# Allegro board Controller.brd
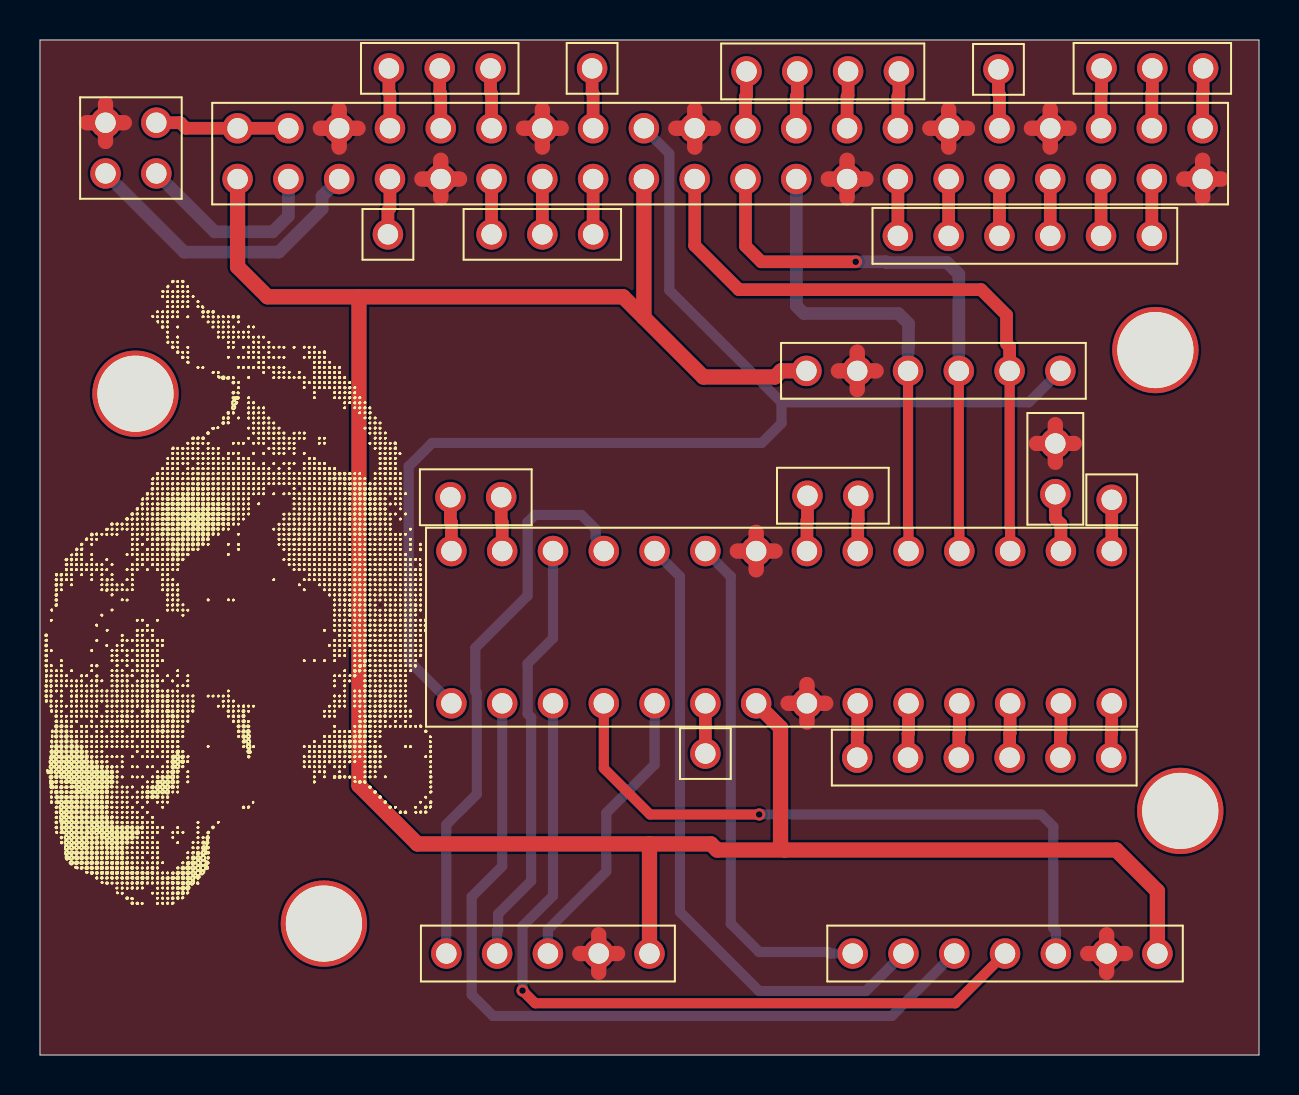
[diagram p0: board, top side]
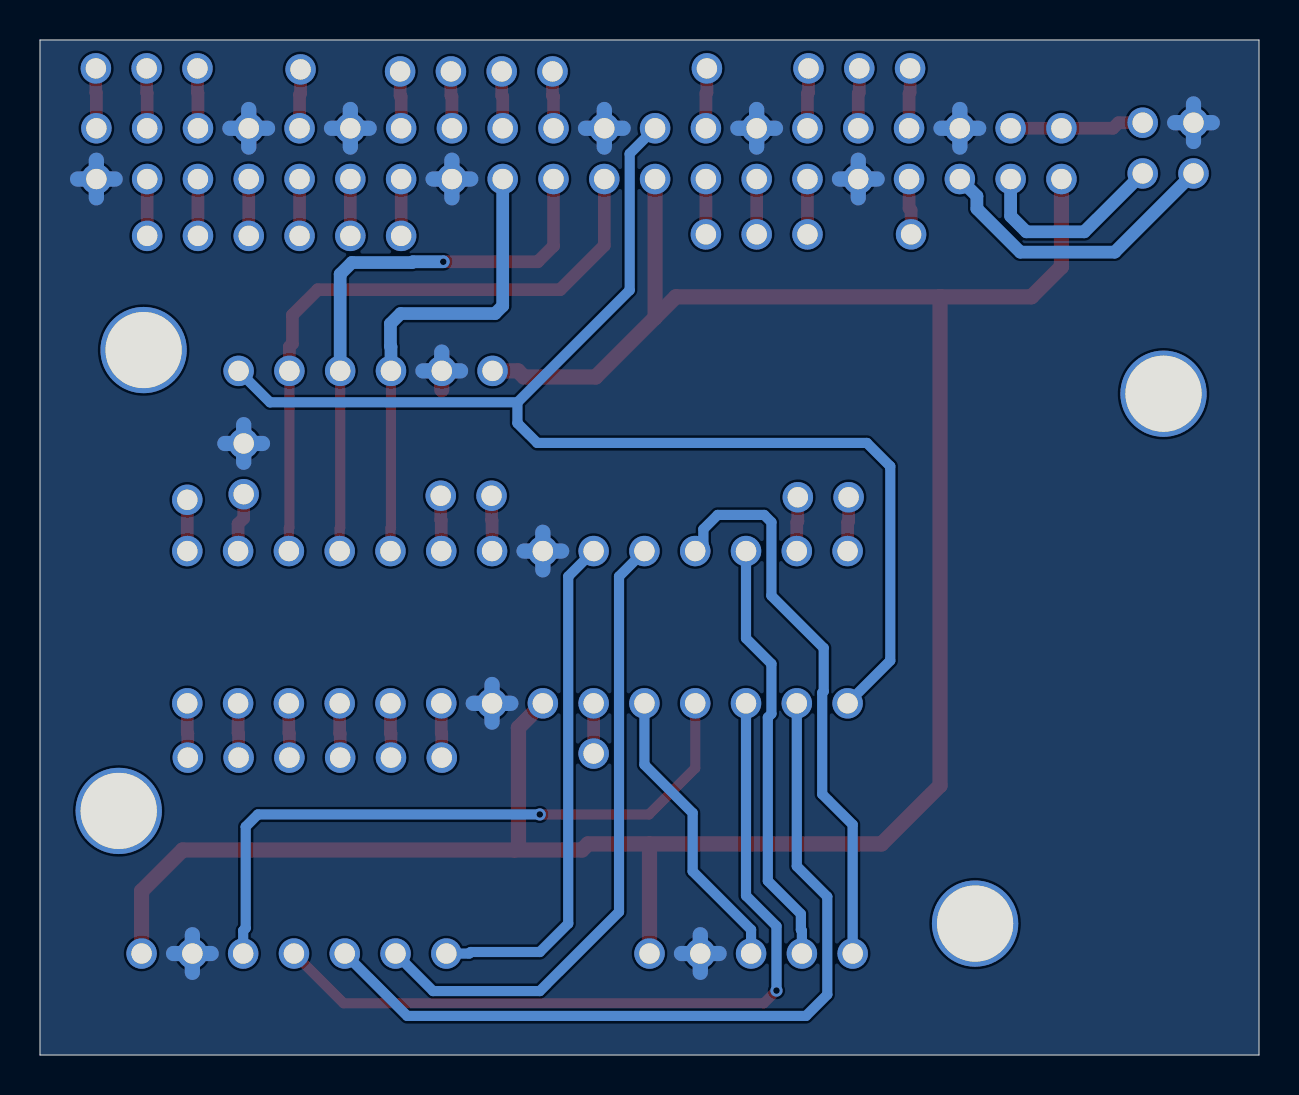
[diagram p1: board, bottom side, seen from below]

Outline 60.96 x 50.8 mm; copper layers: TOP, BOTTOM. Coordinates in mm from the lower left corner of the outline.
Outline path: 0,50.8 60.96,50.8 60.96,0 0,0 0,50.8

## Design rules (mm)
constraint set DEFAULT: min track width 0.254

## Placement (name value [footprint] x y rotation side)
CONNECTOR1  2x2Pin  [DIP2X2]  4.55 45.39 90 top
CONNECTOR2  5Pin  [SIP5]  25.4 5.08 270 top
CONNECTOR3  7Pin  [SIP7]  48.26 5.08 270 top
CONNECTOR4  6Pin  [SIP6]  44.68 34.24 90 top
CONNECTOR5  2Pin  [SIP2]  50.77 28.07 180 top
CONNECTOR6  6Pin  [SIP6]  47.22 14.88 270 top
CONNECTOR7  1Pin  [SIP1]  33.27 15.09 0 top
CONNECTOR8  1Pin  [SIP1]  53.59 27.79 0 top
CONNECTOR9  2Pin  [SIP2]  40.92 27.99 270 top
CONNECTOR10  2Pin  [SIP2]  23.06 27.91 270 top
CONNECTOR11  3Pin  [SIP3]  22.53 49.38 270 top
CONNECTOR12  1Pin  [SIP1]  27.61 49.38 0 top
CONNECTOR13  1Pin  [SIP1]  47.93 49.33 0 top
CONNECTOR14  1Pin  [SIP1]  17.4 41.07 0 top
CONNECTOR15  3Pin  [SIP3]  58.17 49.38 270 top
CONNECTOR16  3Pin  [SIP3]  22.58 41.07 90 top
CONNECTOR17  4Pin  [SIP4]  39.14 49.23 90 top
CONNECTOR18  6Pin  [SIP6]  49.25 41 270 top
MC1  AtMega328p  [ATMEGA328P]  37.08 21.41 90 top
MC2  Rpi4  [RPI4]  34.01 45.11 90 top
NOREF  -  [unnamed]  14.2 6.58 0 top
NOREF#2  -  [#2]  8.97 20.35 270 top
NOREF#3  -  [unnamed]  55.78 35.28 0 top
NOREF#4  -  [unnamed]  4.78 33.1 0 top
NOREF#5  -  [unnamed]  57.02 12.22 0 top

## Library data of the parts
CONNECTOR1 = 2x2Pin
CONNECTOR2 = 5Pin
CONNECTOR3 = 7Pin
CONNECTOR4 CONNECTOR6 CONNECTOR18 = 6Pin
CONNECTOR5 CONNECTOR9 CONNECTOR10 = 2Pin
CONNECTOR7 CONNECTOR8 CONNECTOR12-CONNECTOR14 = 1Pin
CONNECTOR11 CONNECTOR15 CONNECTOR16 = 3Pin
CONNECTOR17 = 4Pin
MC1 = AtMega328p
MC2 = Rpi4

## Footprints (pads in the part's own frame, mm; a bottom-side part is the same pattern mirrored in y, then rotated)
ATMEGA328P
  round 1.524 hole 1.02: 1(-3.81,16.51) 2(-3.81,13.97) 3(-3.81,11.43) 4(-3.81,8.89) 5(-3.81,6.35) 6(-3.81,3.81) 7(-3.81,1.27) 8(-3.81,-1.27) 9(-3.81,-3.81) 10(-3.81,-6.35) 11(-3.81,-8.89) 12(-3.81,-11.43) 13(-3.81,-13.97) 14(-3.81,-16.51) 15(3.81,-16.51) 16(3.81,-13.97) 17(3.81,-11.43) 18(3.81,-8.89) 19(3.81,-6.35) 20(3.81,-3.81) 21(3.81,-1.27) 22(3.81,1.27) 23(3.81,3.81) 24(3.81,6.35) 25(3.81,8.89) 26(3.81,11.43) 27(3.81,13.97) 28(3.81,16.51)
DIP2X2
  round 1.524 hole 1.02: 1(-1.27,1.27) 2(-1.27,-1.27) 3(1.27,-1.27) 4(1.27,1.27)
RPI4
  round 1.524 hole 1.02: 1(-1.27,24.13) 2(1.27,24.13) 3(-1.27,21.59) 4(1.27,21.59) 5(-1.27,19.05) 6(1.27,19.05) 7(-1.27,16.51) 8(1.27,16.51) 9(-1.27,13.97) 10(1.27,13.97) 11(-1.27,11.43) 12(1.27,11.43) 13(-1.27,8.89) 14(1.27,8.89) 15(-1.27,6.35) 16(1.27,6.35) 17(-1.27,3.81) 18(1.27,3.81) 19(-1.27,1.27) 20(1.27,1.27) 21(-1.27,-1.27) 22(1.27,-1.27) 23(-1.27,-3.81) 24(1.27,-3.81) 25(-1.27,-6.35) 26(1.27,-6.35) 27(-1.27,-8.89) 28(1.27,-8.89) 29(-1.27,-11.43) 30(1.27,-11.43) 31(-1.27,-13.97) 32(1.27,-13.97) 33(-1.27,-16.51) 34(1.27,-16.51) 35(-1.27,-19.05) 36(1.27,-19.05) 37(-1.27,-21.59) 38(1.27,-21.59) 39(-1.27,-24.13) 40(1.27,-24.13)
SIP1
  round 1.524 hole 1.02: 1(0,0)
SIP2
  round 1.524 hole 1.02: 1(0,0) 2(0,-2.54)
SIP3
  round 1.524 hole 1.02: 1(0,0) 2(0,-2.54) 3(0,-5.08)
SIP4
  round 1.524 hole 1.02: 1(0,3.81) 2(0,1.27) 3(0,-1.27) 4(0,-3.81)
SIP5
  round 1.524 hole 1.02: 1(0,5.08) 2(0,2.54) 3(0,0) 4(0,-2.54) 5(0,-5.08)
SIP6
  round 1.524 hole 1.02: 1(0,6.35) 2(0,3.81) 3(0,1.27) 4(0,-1.27) 5(0,-3.81) 6(0,-6.35)
SIP7
  round 1.524 hole 1.02: 1(0,7.62) 2(0,5.08) 3(0,2.54) 4(0,0) 5(0,-2.54) 6(0,-5.08) 7(0,-7.62)
unnamed
  round 4.318 hole 3.81: (0,0)

## Nets
3.3V: CONNECTOR2.1 CONNECTOR3.1 CONNECTOR4.1 MC1.7(VCC) MC2.1 MC2.17
GND: CONNECTOR1.4 CONNECTOR2.2 CONNECTOR3.2 CONNECTOR4.2 CONNECTOR5.2 MC1.8 MC1.22 MC2.6 MC2.9 MC2.14 MC2.20 MC2.25 MC2.30 MC2.34 MC2.39
N00659: CONNECTOR1.2 MC2.3
N00671: CONNECTOR1.1 MC2.5
N01073: CONNECTOR1.3 MC2.2 MC2.4
N02191: CONNECTOR4.6 MC1.1 MC2.18
N02230: CONNECTOR4.5 MC1.17 MC2.19
N02260: CONNECTOR4.4 MC1.18 MC2.21(GP9(MISO))
N02282: CONNECTOR4.3 MC1.19 MC2.23
N02324: CONNECTOR3.7 MC1.23
N02331: CONNECTOR3.6 MC1.24
N02338: CONNECTOR2.5 MC1.25
N02345: CONNECTOR2.4 MC1.26
N02418: CONNECTOR5.1 MC1.16
N02490: CONNECTOR3.5 MC1.2
N02508: CONNECTOR3.4 MC1.3
N02526: CONNECTOR3.3 MC1.4
N02544: CONNECTOR2.3 MC1.5
N02796: CONNECTOR6.6 MC1.9
N02800: CONNECTOR6.5 MC1.10
N02804: CONNECTOR6.4 MC1.11
N02808: CONNECTOR6.3 MC1.12
N02812: CONNECTOR6.2 MC1.13
N02816: CONNECTOR6.1 MC1.14
N02820: CONNECTOR9.2 MC1.21
N02824: CONNECTOR9.1 MC1.20
N02828: CONNECTOR10.1 MC1.27
N02832: CONNECTOR10.2 MC1.28
N02836: CONNECTOR8.1 MC1.15
N02848: CONNECTOR7.1 MC1.6
N04736: CONNECTOR11.3 MC2.8
N04740: CONNECTOR11.2 MC2.10
N04744: CONNECTOR11.1 MC2.12
N04748: CONNECTOR12.1 MC2.16
N04752: CONNECTOR17.1 MC2.22
N04756: CONNECTOR17.2 MC2.24
N04760: CONNECTOR17.3 MC2.26
N04764: CONNECTOR17.4 MC2.28
N04768: CONNECTOR13.1 MC2.32
N04772: CONNECTOR15.3 MC2.36
N04776: CONNECTOR15.2 MC2.38
N04780: CONNECTOR15.1 MC2.40
N04784: CONNECTOR18.1 MC2.37
N04788: CONNECTOR18.2 MC2.35
N04792: CONNECTOR18.3 MC2.33
N04796: CONNECTOR18.4 MC2.31
N04800: CONNECTOR18.5 MC2.29
N04804: CONNECTOR18.6 MC2.27
N04808: CONNECTOR16.3 MC2.15
N04812: CONNECTOR16.2 MC2.13
N04816: CONNECTOR16.1 MC2.11
N04820: CONNECTOR14.1 MC2.7

## Via types
v1: diameter 0.61, hole 0.33, TOP to BOTTOM, 3 vias

## Routing (per net, layer and track width the routed paths; a pad name or vN(x,y) marks a point on that pad's centre or on a via; arc(x,y) is an arc through that point)
3.3V: length 125.3
  TOP w0.762: CONNECTOR4.1 37.06,34.24 36.75,33.93 33.17,33.93 30.2,36.91 ; MC1.7 37.03,16.38 37.03,10.46 37.24,10.26 ; 15.95,37.95 15.95,13.49 18.87,10.57 30.48,10.57 ; 15.95,37.95 11.38,37.95 9.88,39.45 MC2.1 ; 15.95,37.95 29.16,37.95 30.2,36.91 ; 37.24,10.26 33.86,10.26 33.55,10.57 30.48,10.57 ; 37.24,10.26 53.82,10.26 55.88,8.2 CONNECTOR3.1 ; CONNECTOR2.1 30.48,10.57 ; 30.2,36.91 MC2.17
GND: length 111.9
  TOP w0.762: MC2.6 15.9,46.38 ; MC2.6 14.96,47.32 ; MC2.6 14.96,45.44 ; MC2.6 14.02,46.38 ; 27,5.08 CONNECTOR2.2 ; CONNECTOR2.2 27.94,4.14 ; CONNECTOR2.2 27.94,6.02 ; CONNECTOR2.2 28.88,5.08 ; 49.58,46.38 MC2.34 ; MC2.34 51.46,46.38 ; MC2.34 50.52,45.44 ; MC2.34 50.52,47.32 ; MC2.30 45.44,47.32 ; MC2.30 44.5,46.38 ; MC2.30 46.38,46.38 ; MC2.30 45.44,45.44 ; 40.87,33.3 CONNECTOR4.2 ; CONNECTOR4.2 39.93,34.24 ; CONNECTOR4.2 41.81,34.24 ; CONNECTOR4.2 40.87,35.18 ; CONNECTOR3.2 53.34,6.02 ; CONNECTOR3.2 52.4,5.08 ; CONNECTOR3.2 54.28,5.08 ; CONNECTOR3.2 53.34,4.14 ; MC1.8 38.35,18.54 ; MC1.8 39.29,17.6 ; MC1.8 37.41,17.6 ; MC1.8 38.35,16.66 ; 19.1,43.84 MC2.9 ; MC2.9 20.04,44.78 ; MC2.9 20.04,42.9 ; MC2.9 20.98,43.84 ; 25.12,45.44 MC2.14 ; MC2.14 25.12,47.32 ; MC2.14 24.18,46.38 ; MC2.14 26.06,46.38 ; CONNECTOR1.4 4.22,46.66 ; CONNECTOR1.4 3.28,47.6 ; CONNECTOR1.4 3.28,45.72 ; CONNECTOR1.4 2.34,46.66 ; MC2.20 33.68,46.38 ; MC2.20 32.74,47.32 ; MC2.20 32.74,45.44 ; MC2.20 31.8,46.38 ; 58.14,42.9 MC2.39 ; MC2.39 59.08,43.84 ; MC2.39 58.14,44.78 ; MC2.39 57.2,43.84 ; 34.87,25.22 MC1.22 ; MC1.22 35.81,26.16 ; MC1.22 36.75,25.22 ; MC1.22 35.81,24.28 ; MC2.25 40.36,44.78 ; MC2.25 40.36,42.9 ; MC2.25 41.3,43.84 ; MC2.25 39.42,43.84 ; 50.77,29.67 CONNECTOR5.2 ; CONNECTOR5.2 51.71,30.61 ; CONNECTOR5.2 50.77,31.55 ; CONNECTOR5.2 49.83,30.61
  BOTTOM w0.762: CONNECTOR3.2 54.28,5.08 ; CONNECTOR3.2 53.34,4.14 ; CONNECTOR3.2 52.4,5.08 ; CONNECTOR3.2 53.34,6.02 ; MC2.14 25.12,47.32 ; MC2.14 25.12,45.44 ; MC2.14 26.06,46.38 ; MC2.14 24.18,46.38 ; 40.36,42.9 MC2.25 ; MC2.25 39.42,43.84 ; MC2.25 40.36,44.78 ; MC2.25 41.3,43.84 ; 20.04,42.9 MC2.9 ; MC2.9 20.98,43.84 ; MC2.9 20.04,44.78 ; MC2.9 19.1,43.84 ; 3.28,45.72 CONNECTOR1.4 ; CONNECTOR1.4 4.22,46.66 ; CONNECTOR1.4 3.28,47.6 ; CONNECTOR1.4 2.34,46.66 ; 35.81,24.28 MC1.22 ; MC1.22 34.87,25.22 ; MC1.22 35.81,26.16 ; MC1.22 36.75,25.22 ; 27.94,4.14 CONNECTOR2.2 ; CONNECTOR2.2 28.88,5.08 ; CONNECTOR2.2 27,5.08 ; CONNECTOR2.2 27.94,6.02 ; MC1.8 39.29,17.6 ; MC1.8 38.35,16.66 ; MC1.8 38.35,18.54 ; MC1.8 37.41,17.6 ; MC2.34 50.52,47.32 ; MC2.34 51.46,46.38 ; MC2.34 50.52,45.44 ; MC2.34 49.58,46.38 ; 57.2,43.84 MC2.39 ; MC2.39 59.08,43.84 ; MC2.39 58.14,44.78 ; MC2.39 58.14,42.9 ; MC2.20 33.68,46.38 ; MC2.20 31.8,46.38 ; MC2.20 32.74,45.44 ; MC2.20 32.74,47.32 ; 45.44,45.44 MC2.30 ; MC2.30 46.38,46.38 ; MC2.30 44.5,46.38 ; MC2.30 45.44,47.32 ; 50.77,29.67 CONNECTOR5.2 ; CONNECTOR5.2 50.77,31.55 ; CONNECTOR5.2 51.71,30.61 ; CONNECTOR5.2 49.83,30.61 ; CONNECTOR4.2 40.87,35.18 ; CONNECTOR4.2 41.81,34.24 ; CONNECTOR4.2 39.93,34.24 ; 14.96,45.44 MC2.6 ; MC2.6 15.9,46.38 ; MC2.6 14.02,46.38 ; MC2.6 14.96,47.32
N00659: length 10
  BOTTOM w0.635: MC2.3 12.42,41.99 11.63,41.2 8.74,41.2 CONNECTOR1.2
N00671: length 15.2
  BOTTOM w0.635: CONNECTOR1.1 7.21,40.18 11.94,40.18 14.11,42.35 14.11,42.99 MC2.5
N01073: length 6.7
  TOP w0.635: CONNECTOR1.3 7.02,46.66 7.3,46.38 MC2.2 MC2.4
N02191: length 64.5
  BOTTOM w0.508: CONNECTOR4.6 49.45,32.66 37.08,32.66 ; 37.08,32.66 37.08,31.62 36.09,30.63 19.61,30.63 18.44,29.46 18.44,19.74 MC1.1 ; 37.08,32.66 31.47,38.28 31.47,45.11 MC2.18
N02230: length 32.2
  TOP w0.508: CONNECTOR4.5 48.49,26.39 48.51,26.37 MC1.17
  TOP w0.635: MC2.19 32.74,40.51 34.95,38.3 47.07,38.3 48.34,37.03 48.34,35.6 48.49,35.45 CONNECTOR4.5
N02260: length 28.5
  TOP w0.508: MC1.18 45.97,26.37 45.95,26.39 CONNECTOR4.4
  TOP w0.635: MC2.21 35.28,40.49 36.07,39.7 v1(40.79,39.7)
  BOTTOM w0.635: v1(40.79,39.7) 42.31,39.7 42.35,39.66 45.36,39.66 45.95,39.08 CONNECTOR4.4
N02282: length 23.7
  TOP w0.508: MC1.19 43.43,26.37 43.41,26.39 CONNECTOR4.3
  BOTTOM w0.635: MC2.23 37.82,37.49 38.2,37.11 42.93,37.11 43.43,36.6 43.43,35.47 43.41,35.45 CONNECTOR4.3
N02324: length 25.9
  BOTTOM w0.508: CONNECTOR3.7 39.5,5.08 39.42,5.16 35.97,5.16 34.54,6.58 34.54,23.95 MC1.23
N02331: length 32.2
  BOTTOM w0.508: CONNECTOR3.6 41.3,3.2 35.97,3.2 32,7.16 32,23.95 MC1.24
N02338: length 28.4
  BOTTOM w0.508: MC1.25 27.79,25.63 27.79,26.31 27.07,27.03 24.74,27.03 24.38,26.67 24.38,22.99 21.77,20.37 21.77,18.2 21.84,18.13 21.84,13.06 20.32,11.53 CONNECTOR2.5
N02345: length 21.4
  BOTTOM w0.508: CONNECTOR2.4 22.86,6.22 22.91,6.27 22.91,7.06 24.56,8.71 24.56,16.9 24.38,17.08 24.38,19.58 25.65,20.85 MC1.26
N02418: length 3
  TOP w0.635: MC1.16 51.05,26.58 50.77,26.86 CONNECTOR5.1
N02490: length 41.1
  BOTTOM w0.508: CONNECTOR3.5 42.6,1.96 22.66,1.96 21.59,3.02 21.59,7.92 23.11,9.45 MC1.2
N02508: length 40.4
  TOP w0.508: v1(24.13,3.23) 24.77,2.59 45.77,2.59 CONNECTOR3.4
  BOTTOM w0.508: MC1.3 25.65,7.98 24.13,6.45 v1(24.13,3.23)
N02526: length 33.3
  TOP w0.508: v1(35.97,12.04) 30.51,12.04 28.19,14.35 MC1.4
  BOTTOM w0.508: CONNECTOR3.3 50.8,6.22 50.67,6.35 50.67,11.43 50.06,12.04 v1(35.97,12.04)
N02544: length 14.7
  BOTTOM w0.508: MC1.5 30.73,14.53 28.32,12.12 28.32,9.19 25.4,6.27 CONNECTOR2.3
N02796: length 2.7
  TOP w0.635: MC1.9 40.89,16.12 40.87,16.09 CONNECTOR6.6
N02800: length 2.7
  TOP w0.635: CONNECTOR6.5 43.41,16.09 43.43,16.12 MC1.10
N02804: length 2.7
  TOP w0.635: CONNECTOR6.4 45.95,16.09 45.97,16.12 MC1.11
N02808: length 2.7
  TOP w0.635: MC1.12 48.51,16.12 48.49,16.09 CONNECTOR6.3
N02812: length 2.7
  TOP w0.635: MC1.13 51.05,16.12 51.03,16.09 CONNECTOR6.2
N02816: length 2.7
  TOP w0.635: MC1.14 53.59,16.12 53.57,16.09 CONNECTOR6.1
N02820: length 2.8
  TOP w0.635: CONNECTOR9.2 38.38,26.78 38.35,26.76 MC1.21
N02824: length 2.8
  TOP w0.635: MC1.20 40.89,26.76 40.92,26.78 CONNECTOR9.1
N02828: length 2.7
  TOP w0.635: CONNECTOR10.1 23.06,26.71 23.11,26.66 MC1.27
N02832: length 2.7
  TOP w0.635: MC1.28 20.57,26.66 20.52,26.71 CONNECTOR10.2
N02836: length 2.6
  TOP w0.635: MC1.15 CONNECTOR8.1
N02848: length 2.5
  TOP w0.635: MC1.6 CONNECTOR7.1
N04736: length 3
  TOP w0.635: MC2.8 17.5,48.12 17.45,48.17 CONNECTOR11.3
N04740: length 3
  TOP w0.635: CONNECTOR11.2 19.99,48.17 20.04,48.12 MC2.10
N04744: length 3
  TOP w0.635: CONNECTOR11.1 22.53,48.17 22.58,48.12 MC2.12
N04748: length 3
  TOP w0.635: MC2.16 27.66,48.12 27.61,48.17 CONNECTOR12.1
N04752: length 2.9
  TOP w0.635: MC2.22 35.28,47.97 35.33,48.02 CONNECTOR17.1
N04756: length 2.9
  TOP w0.635: CONNECTOR17.2 37.87,48.02 37.82,47.97 MC2.24
N04760: length 2.9
  TOP w0.635: CONNECTOR17.3 40.41,48.02 40.36,47.97 MC2.26
N04764: length 2.9
  TOP w0.635: MC2.28 42.9,47.97 42.95,48.02 CONNECTOR17.4
N04768: length 3
  TOP w0.635: MC2.32 47.98,48.07 47.93,48.12 CONNECTOR13.1
N04772: length 3
  TOP w0.635: CONNECTOR15.3 53.09,48.17 53.06,48.15 MC2.36
N04776: length 3
  TOP w0.635: CONNECTOR15.2 55.63,48.17 55.6,48.15 MC2.38
N04780: length 3
  TOP w0.635: MC2.40 58.14,48.15 58.17,48.17 CONNECTOR15.1
N04784: length 2.8
  TOP w0.635: MC2.37 CONNECTOR18.1
N04788: length 2.8
  TOP w0.635: MC2.35 CONNECTOR18.2
N04792: length 2.8
  TOP w0.635: MC2.33 CONNECTOR18.3
N04796: length 2.8
  TOP w0.635: MC2.31 CONNECTOR18.4
N04800: length 2.8
  TOP w0.635: MC2.29 CONNECTOR18.5
N04804: length 2.8
  TOP w0.635: MC2.27 CONNECTOR18.6
N04808: length 2.8
  TOP w0.635: MC2.15 CONNECTOR16.3
N04812: length 2.8
  TOP w0.635: MC2.13 CONNECTOR16.2
N04816: length 2.8
  TOP w0.635: MC2.11 CONNECTOR16.1
N04820: length 2.8
  TOP w0.635: CONNECTOR14.1 17.4,42.28 17.5,42.38 MC2.7

## Copper pours and planes (outline as drawn; the poured copper is in the pictures)
GND on TOP, BOTTOM: 0,50.8 60.96,50.8 60.96,0 0,0
